# Allegro board AX7021B.brd (continued)
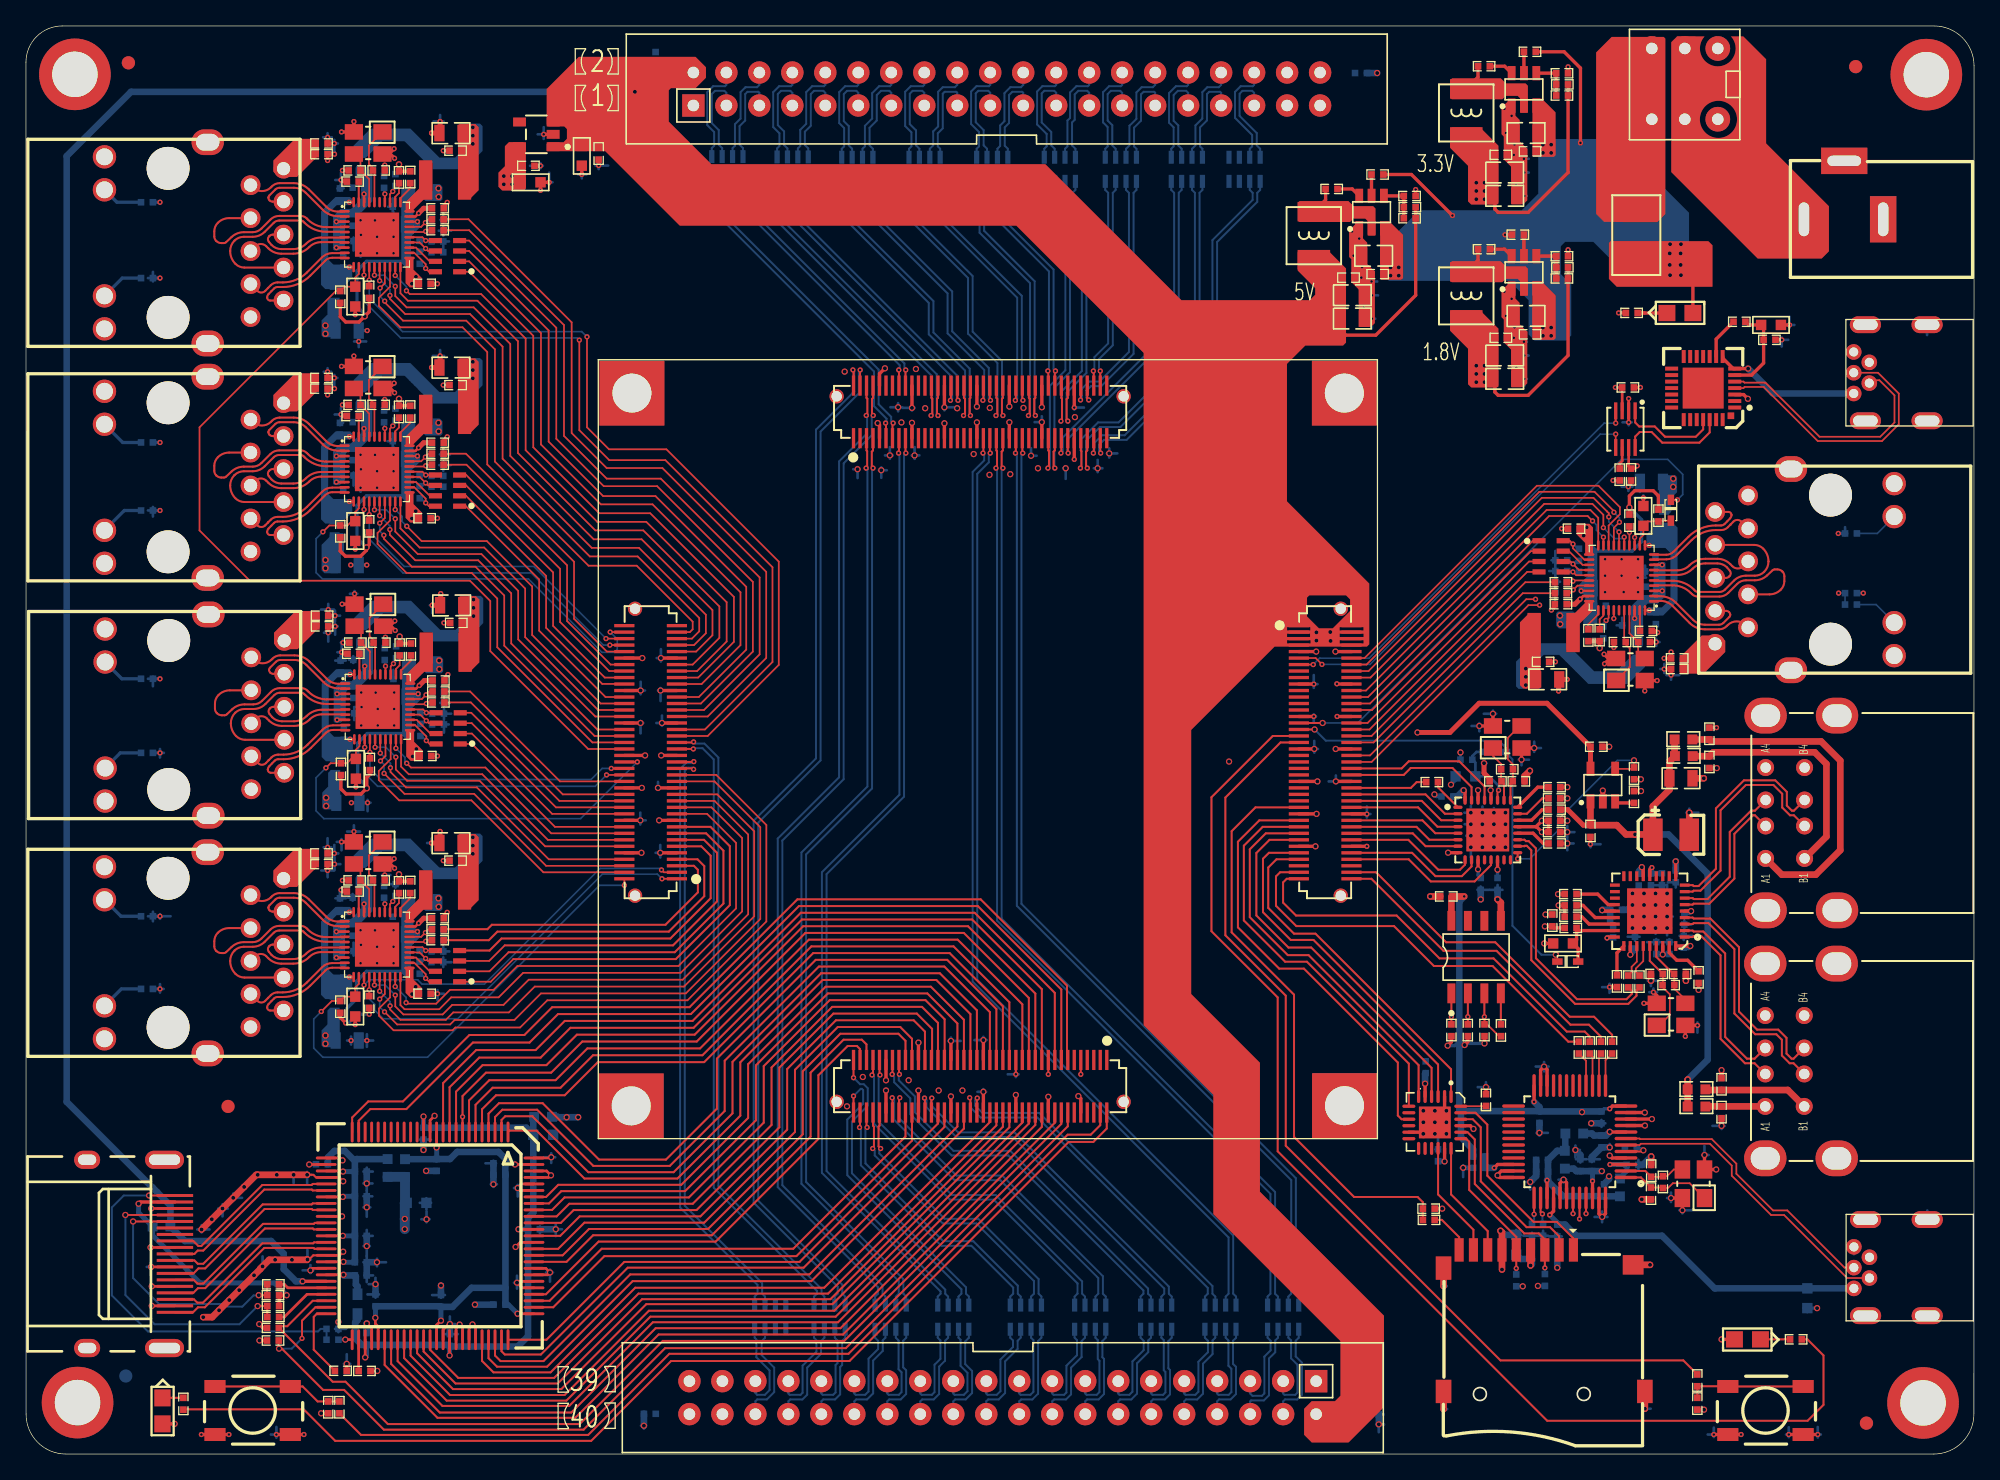
[diagram p0: board, top side]
## Routing (per net, layer and track width the routed paths; a pad name or vN(x,y) marks a point on that pad's centre or on a via; arc(x,y) is an arc through that point) (continued)
PHY2_MDI3_N: length 8.5
  TOP w0.152: J10.P9 18.8,34.16 arc(18.64,34.23) 18.57,34.39 18.57,34.39 arc(18.6,34.54) 18.68,34.66 18.9,34.88 19.11,35.09 arc(19.23,35.18) 19.37,35.2 19.78,35.2 arc(20.92,35.43) 21.89,36.08 23.05,37.24 arc(23.3,37.4) 23.59,37.46 24.51,37.46 U10.10
PHY2_MDI3_P: length 8.6
  TOP w0.152: U10.9 24.51,37.82 23.59,37.82 arc(23.16,37.73) 22.8,37.49 21.64,36.33 arc(20.79,35.76) 19.78,35.56 19.37,35.56 arc(19.09,35.5) 18.86,35.35 18.65,35.14 arc(18.64,35.13) 18.64,35.13 18.42,34.91 arc(18.13,34.78) 17.83,34.9 J10.P8
PHY2_MDIO: length 31.5
  TOP w0.127: R1043.1 26.43,35.74 v1(26.43,35.76) U10.14 ; CON3.1 v1(48.98,44.31)
  BOTTOM w0.127: v1(48.98,44.31) 48.62,44.67 44.39,44.67 33.25,33.53 27.51,33.53 26.86,34.18 26.86,34.64 26.43,35.06 v1(26.43,35.76)
PHY2_RESET: length 38
  TOP w0.127: v1(22.74,34.09) 23.55,34.9 R1060.1 24.53,35.23 C1510.1 25.36,35.94 25.63,36.22 U10.12 ; CON3.2 v1(46.08,43.81)
  BOTTOM w0.127: v1(46.08,43.81) 44.17,43.81 30.93,30.57 22.86,30.57 22.16,31.27 22.16,33.51 v1(22.74,34.09)
PHY2_RSET: length 1.6
  TOP w0.152: R1050.2 25.63,43.32 25.63,41.75 U10.39
PHY2_RXC_ADR1: length 2.5
  TOP w0.127: R1048.1 31.02,40.43 v1(30.76,40.17) 30.43,39.84 U10.27
  BOTTOM w0.127: R1058.2 30.97,40.37 v1(30.76,40.17)
PHY2_RXCK: length 24.2
  TOP w0.152: R1048.2 35.53,40.43 35.88,40.77 49.25,40.77 51.74,43.26 51.74,45 51.43,45.31 CON3.5
PHY2_RXCTL: length 26.1
  TOP w0.152: R1049.2 35.64,39.58 36.3,40.24 49.5,40.24 52.23,42.97 52.23,45.29 51.71,45.81 CON3.7
PHY2_RXCTL_ADR2: length 2.2
  TOP w0.127: R1049.1 30.87,39.58 v1(30.78,39.49) 30.73,39.44 U10.26
  BOTTOM w0.127: R1059.2 30.83,39.54 v1(30.78,39.49)
PHY2_RXD0: length 27.2
  TOP w0.152: CON3.11 52,46.81 52.72,46.09 52.72,42.81 49.62,39.71 36.62,39.71 35.7,38.78 RN20.4
PHY2_RXD0_RXDLY: length 3.1
  TOP w0.127: U10.25 30.53,39.04 v1(30.78,38.78) RN20.5
  BOTTOM w0.127: R1054.2 30.85,38.72 v1(30.78,38.78) 30.76,38.76 R1055.1
PHY2_RXD1: length 29
  TOP w0.127: RN20.3 35.67,37.98 36.87,39.18
  TOP w0.152: 36.87,39.18 49.83,39.18 53.22,42.57 53.22,46.31 52.21,47.31 CON3.13
PHY2_RXD1_TXDLY: length 3.4
  TOP w0.127: U10.24 30.31,38.64 v1(30.78,38.17) 30.97,37.98 RN20.6
  BOTTOM w0.127: R1056.1 30.53,37.93 v1(30.78,38.17) 31.06,37.89 R1053.2
PHY2_RXD2: length 30.7
  TOP w0.127: RN20.2 35.69,37.18 37.16,38.65
  TOP w0.152: 37.16,38.65 49.96,38.65 53.71,42.4 53.71,46.47 52.37,47.81 CON3.15
PHY2_RXD3: length 32.5
  TOP w0.127: 37.53,38.12 35.79,36.38 RN20.1
  TOP w0.152: 37.53,38.12 50.04,38.12 54.2,42.28 54.2,46.82 52.71,48.31 CON3.17
PHY2_RXD3_ADR0: length 3.4
  TOP w0.127: RN20.8 31.03,36.38 v1(30.78,36.64) 30.78,36.96 29.9,37.84 U10.22
  BOTTOM w0.127: R1057.1 30.42,36.99 v1(30.78,36.64)
PHY2_TXCK: length 43.4
  TOP w0.127: U10.20 28.83,34.58 29.15,34.26 31.83,34.26 32.74,35.18 36.4,35.18 38.29,37.07 50.41,37.07 55.15,41.8 55.15,47.45 52.79,49.81 CON3.23
PHY2_TXCTL: length 41.3
  TOP w0.127: CON3.21 52.45,49.31 54.68,47.08 54.68,42.03 50.25,37.59 37.84,37.59 36.01,35.76 32.65,35.76 31.59,34.69 29.35,34.69 v1(29.27,34.77) ; U10.19 v1(28.43,36.01)
  BOTTOM w0.127: v1(28.43,36.01) 29.27,35.17 v1(29.27,34.77)
PHY2_TXD0: length 53
  TOP w0.127: CON3.33 53.16,52.31 57.01,48.45 57.01,41.02 50.94,34.95 40.14,34.95 38.05,32.86 33.06,32.86 32.85,32.64 28.31,32.64 27.18,33.77 27.18,34.31 28.03,35.17 U10.18
PHY2_TXD1: length 50.7
  TOP w0.127: v1(27.24,35.04) 27.63,35.44 U10.17 ; v1(27.61,34.06) 28.58,33.09 32.66,33.09 33.01,33.44 37.61,33.44 39.66,35.48 50.81,35.48 56.55,41.22 56.55,48.29 53.02,51.81 CON3.31
  BOTTOM w0.127: v1(27.24,35.04) 27.24,34.43 v1(27.61,34.06)
PHY2_TXD2: length 48.2
  TOP w0.127: CON3.27 53.23,50.81 56.08,47.96 56.08,41.42 50.67,36.01 39.18,36.01 37.19,34.02 32.9,34.02 32.33,33.45 28.84,33.45 28.04,34.25 v1(28.04,34.52) ; U10.16 v1(27.23,35.65)
  BOTTOM w0.127: v1(27.23,35.65) 28.04,34.85 v1(28.04,34.52)
PHY2_TXD3: length 46.7
  TOP w0.127: U10.15 v1(26.83,36.12) ; CON3.25 53.02,50.31 55.61,47.72 55.61,41.58 50.57,36.54 38.71,36.54 36.77,34.6 32.82,34.6 32.09,33.86 29.06,33.86 28.44,34.48 v1(28.44,35.35)
  BOTTOM w0.127: v1(26.83,36.12) 27.66,36.12 v1(28.44,35.35)
PHY3_ADVDDL: length 1.9
  TOP w0.19: U11.38 v1(26.08,60.68) ; U11.8 v1(23.95,56.55) ; U11.3 v1(23.95,58.55)
PHY3_AVDD33: length 0.7
  TOP w0.191: U11.11 v1(24.96,55.05) ; U11.40 v1(24.96,60.05)
PHY3_DVDDL:
  vias: v2(29.79,53.73) v2(30.07,54.31) v2(34.46,65.81) v2(34.46,65.18) v2(34.46,64.54)
PHY3_ENB_LDO: length 1.6
  TOP w0.127: R1062.1 28.78,60.76 28.48,60.46 U11.32
PHY3_ETH_RXD2: length 2.4
  TOP w0.127: U11.23 30.09,56.55 31.14,55.5 RN21.7
PHY3_INT_N: length 1.8
  TOP w0.127: R1078.2 29.64,61.12 28.88,60.36 U11.31
PHY3_IODVDD: length 13.6
  TOP w0.127: U11.28 v1(30.2,58.55)
  TOP w0.254: R1079.2 26.48,52.35 26.24,52.11 v2(26.24,51.29) 25.8,50.84 24.65,50.84 24.25,51.24 R1077.2
  BOTTOM w0.254: R1074.2 29.27,55.5 26.27,55.5 25.54,54.77 25.54,52.12 26.24,51.42 v2(26.24,51.29)
PHY3_LED1: length 28.3
  TOP w0.127: v1(28.3,60.88) 28.08,60.67 U11.33
  SVCC w0.127: J11.14 9.32,53.52 14.88,53.52 16.29,54.93 17.93,54.93 19.23,56.23 20.92,56.23 24.17,59.49 27.34,59.49 28.3,60.44 v1(28.3,60.88)
  BOTTOM w0.127: R1063.1 28.5,61.09 v1(28.3,60.88)
PHY3_LED2: length 25.3
  TOP w0.127: U11.34 v1(27.68,60.69)
  SVCC w0.127: J11.11 7.05,63.55 10.49,60.11 17.97,60.11 19.1,61.23 24.66,61.23 25.8,60.09 27.08,60.09 v1(27.68,60.69)
  BOTTOM w0.127: v1(27.68,60.69) 27.63,60.75 R1064.1
PHY3_MDC: length 23.4
  TOP w0.127: U11.13 v1(26.08,54.44) ; CON3.34 v1(44.71,52.31)
  BOTTOM w0.127: v1(26.08,54.44) 26.08,52.43 27.08,51.43 43.83,51.43 v1(44.71,52.31)
PHY3_MDI0_N: length 8.3
  TOP w0.152: J11.P3 19.04,60.1 arc(18.92,60.12) 18.81,60.19 arc(18.74,60.29) 18.72,60.41 arc(18.74,60.49) 18.78,60.56 19.25,61.03 arc(19.4,61.13) 19.58,61.16 20.67,61.16 arc(21.17,61.07) 21.59,60.78 22.91,59.46 arc(23.45,59.1) 24.08,58.97 24.56,58.97 U11.2
PHY3_MDI0_P: length 8.4
  TOP w0.152: J11.P2 17.51,61.2 arc(18.22,60.91) 18.92,61.2 19,61.28 arc(19.27,61.46) 19.58,61.52 20.67,61.52 arc(21.3,61.39) 21.84,61.03 23.16,59.71 arc(23.59,59.43) 24.08,59.33 24.56,59.33 U11.1
PHY3_MDI1_N: length 15
  TOP w0.152: U11.5 24.56,57.78 23.16,57.78 arc(22.27,57.95) 21.51,58.46 21.42,58.55 arc(21.32,58.62) 21.21,58.64 19.55,58.64 arc(19.32,58.59) 19.13,58.46 18.43,57.77 arc(18.01,57.49) 17.51,57.39 16.83,57.39 arc(16.45,57.32) 16.13,57.11 arc(16.11,57.1) 16.1,57.09 arc(15.86,56.72) 15.78,56.3 15.78,56.28 arc(15.88,55.75) 16.18,55.3 arc(16.5,55.09) 16.87,55.02 J11.P7
PHY3_MDI1_P: length 15
  TOP w0.152: J11.P4 15.7,58.83 arc(15.23,58.73) 14.82,58.46 arc(14.62,58.16) 14.55,57.81 14.55,57.42 arc(14.59,57.23) 14.69,57.08 14.71,57.06 arc(14.88,56.94) 15.09,56.9 15.3,56.9 arc(15.38,56.92) 15.46,56.97 15.88,57.37 arc(16.32,57.65) 16.83,57.74 17.51,57.74 arc(17.87,57.82) 18.18,58.02 18.88,58.72 arc(19.19,58.92) 19.55,59 21.21,59 arc(21.46,58.95) 21.67,58.8 21.76,58.71 arc(22.4,58.28) 23.16,58.13 24.56,58.13 U11.4
PHY3_MDI2_N: length 7.9
  TOP w0.152: U11.7 24.56,56.97 22.78,56.97 arc(22.28,56.88) 21.86,56.6 arc(21.3,56.22) 20.63,56.09 19.71,56.09 arc(19.17,56.19) 18.71,56.5 18.55,56.66 arc(18.14,56.83) 17.72,56.66 J11.P6
PHY3_MDI2_P: length 7.9
  TOP w0.152: J11.P5 19.06,57.56 arc(18.92,57.53) 18.8,57.45 18.77,57.42 arc(18.68,57.22) 18.75,57.01 18.96,56.75 arc(19.31,56.52) 19.71,56.44 20.63,56.44 arc(21.16,56.55) 21.61,56.85 arc(22.15,57.2) 22.78,57.33 24.56,57.33 U11.6
PHY3_MDI3_N: length 8.5
  TOP w0.152: U11.10 24.56,55.77 23.64,55.77 arc(23.35,55.72) 23.1,55.55 21.94,54.39 arc(20.97,53.74) 19.83,53.52 19.42,53.52 arc(19.28,53.49) 19.16,53.41 18.95,53.2 18.73,52.97 arc(18.65,52.85) 18.62,52.71 18.62,52.7 arc(18.69,52.54) 18.85,52.48 J11.P9
PHY3_MDI3_P: length 8.6
  TOP w0.152: J11.P8 17.88,53.22 arc(18.18,53.09) 18.48,53.22 18.69,53.44 arc(18.69,53.45) 18.7,53.45 18.91,53.66 arc(19.14,53.82) 19.42,53.87 19.83,53.87 arc(20.84,54.07) 21.69,54.64 22.85,55.8 arc(23.21,56.04) 23.64,56.13 24.56,56.13 U11.9
PHY3_MDIO: length 23
  TOP w0.127: U11.14 v1(26.48,54.05) R1079.1 ; CON3.36 v1(45.07,52.81)
  BOTTOM w0.127: v1(45.07,52.81) 44.37,52.81 43.52,51.96 27.32,51.96 26.48,52.8 v1(26.48,54.05)
PHY3_RESET: length 35.6
  TOP w0.127: U11.12 25.68,54.53 25.41,54.26 C1527.1 25.05,53.54 24.72,53.21 R1077.1 23.46,53.21 v1(23.1,52.85) ; CON3.38 v1(47.08,53.31)
  BOTTOM w0.127: v1(47.08,53.31) 42.71,48.94 22.94,48.94 22.34,49.54 22.34,52.09 v1(23.1,52.85)
PHY3_RSET: length 1.6
  TOP w0.152: R1067.2 25.68,61.64 25.68,60.06 U11.39
PHY3_RXC_ADR1: length 2.5
  TOP w0.127: U11.27 30.48,58.15 v1(30.81,58.48) 31.07,58.74 R1066.1
  BOTTOM w0.127: v1(30.81,58.48) 31.02,58.69 R1075.2
PHY3_RXCK: length 16.7
  TOP w0.127: CON3.32 41.13,51.81 34.2,58.74 R1066.2
PHY3_RXCTL: length 16.8
  TOP w0.127: R1065.2 34.26,57.89 41.34,50.81 CON3.28
PHY3_RXCTL_ADR2: length 2.2
  TOP w0.127: U11.26 30.78,57.75 v1(30.83,57.81) 30.92,57.89 R1065.1
  BOTTOM w0.127: R1076.2 30.88,57.86 v1(30.83,57.81)
PHY3_RXD0: length 15.4
  TOP w0.127: CON3.26 41.08,50.31 34.29,57.1 RN21.4
PHY3_RXD0_RXDLY: length 3.1
  TOP w0.127: RN21.5 v1(30.83,57.1) 30.58,57.35 U11.25
  BOTTOM w0.127: R1072.1 30.81,57.08 v1(30.83,57.1) 30.9,57.03 R1071.2
PHY3_RXD1: length 15.3
  TOP w0.127: RN21.3 34.33,56.3 40.81,49.81 CON3.24
PHY3_RXD1_TXDLY: length 3.4
  TOP w0.127: RN21.6 31.02,56.3 v1(30.83,56.49) 30.36,56.95 U11.24
  BOTTOM w0.127: R1070.2 31.11,56.2 v1(30.83,56.49) 30.58,56.24 R1073.1
PHY3_RXD2: length 15.2
  TOP w0.127: CON3.22 40.52,49.31 34.34,55.5 RN21.2
PHY3_RXD3: length 15.3
  TOP w0.127: CON3.18 40.73,48.31 34.35,54.7 RN21.1
PHY3_RXD3_ADR0: length 3.4
  TOP w0.127: U11.22 29.95,56.15 30.83,55.28 v1(30.83,54.95) 31.09,54.7 RN21.8
  BOTTOM w0.127: v1(30.83,54.95) 30.47,55.31 R1074.1
PHY3_TXCK: length 21.6
  TOP w0.127: U11.20 28.88,52.95 29.48,52.36 35.14,52.36 40.19,47.31 CON3.14
PHY3_TXCTL: length 21.2
  TOP w0.127: U11.19 v1(28.48,54.36) ; v1(29.32,53.21) 29.65,52.88 35.38,52.88 40.45,47.81 CON3.16
  BOTTOM w0.127: v1(29.32,53.21) 29.18,53.35 29.18,53.66 v1(28.48,54.36)
PHY3_TXD0: length 25.4
  TOP w0.127: U11.18 28.08,53.53 27.17,52.61 27.17,51.92 28.73,50.35 34.3,50.35 39.84,44.81 CON3.4
PHY3_TXD1: length 24.3
  TOP w0.127: v1(27.58,52.43) 29.15,50.85 34.51,50.85 40.05,45.31 CON3.6 ; v1(27.3,53.39) 27.68,53.77 U11.17
  BOTTOM w0.127: v1(27.3,53.39) 27.58,53.11 v1(27.58,52.43)
PHY3_TXD2: length 23.6
  TOP w0.127: U11.16 v1(27.28,53.99) ; CON3.8 40.26,45.81 34.72,51.35 29.26,51.35 28.07,52.54 v1(28.07,52.86)
  BOTTOM w0.127: v1(27.28,53.99) 28.07,53.21 v1(28.07,52.86)
PHY3_TXD3: length 23.5
  TOP w0.127: CON3.12 39.98,46.81 34.93,51.86 29.35,51.86 28.48,52.73 v1(28.48,53.68) ; U11.15 v1(26.88,54.44)
  BOTTOM w0.127: v1(26.88,54.44) 27.71,54.44 v1(28.48,53.68)
PHY4_ADVDDL: length 1.9
  TOP w0.19: U12.3 v1(23.9,76.87) ; U12.8 v1(23.9,74.87) ; U12.38 v1(26.03,79)
PHY4_AVDD33: length 0.7
  TOP w0.191: U12.40 v1(24.91,78.37) ; U12.11 v1(24.91,73.37)
PHY4_DVDDL:
  vias: v2(29.72,72.06) v2(30.01,72.62) v2(34.41,84.13) v2(34.41,83.49) v2(34.41,82.86)
PHY4_ENB_LDO: length 1.6
  TOP w0.127: R1080.1 28.72,79.07 28.43,78.78 U12.32
PHY4_ETH_RXD2: length 2.4
  TOP w0.127: U12.23 30.04,74.87 31.09,73.81 RN22.7
PHY4_INT_N: length 1.8
  TOP w0.127: U12.31 28.83,78.68 29.59,79.44 R1096.2
PHY4_IODVDD: length 13.4
  TOP w0.127: U12.28 v1(30.15,76.87)
  TOP w0.254: R1097.2 26.43,70.05 v2(26.22,69.83) 26.22,69.61 25.76,69.16 24.6,69.16 24.2,69.56 R1095.2
  BOTTOM w0.254: v2(26.22,69.83) 25.49,70.56 25.49,73.08 26.22,73.81 29.22,73.81 R1092.2
PHY4_LED1: length 28.3
  TOP w0.127: U12.33 28.03,78.98 v1(28.25,79.2)
  SVCC w0.127: v1(28.25,79.2) 28.25,78.77 27.14,77.67 25.48,77.67 22.43,74.62 19.27,74.62 18,73.35 11.68,73.35 6.94,68.61 J12.14
  BOTTOM w0.127: v1(28.25,79.2) 28.45,79.4 R1081.1
PHY4_LED2: length 25.4
  TOP w0.127: U12.34 v1(27.63,79)
  SVCC w0.127: v1(27.63,79) 27.05,78.42 25.69,78.42 25.13,78.98 21.76,78.98 21.14,79.61 19.14,79.61 17.97,78.44 9.47,78.44 J12.11
  BOTTOM w0.127: R1082.1 27.58,79.06 v1(27.63,79)
PHY4_MDC: length 26.1
  TOP w0.127: U12.13 v1(26.03,72.75) ; CON3.74 v1(44.96,62.31)
  BOTTOM w0.127: v1(26.03,72.75) 26.03,70.87 29.04,67.87 38.9,67.87 44.46,62.31 v1(44.96,62.31)
PHY4_MDI0_N: length 8.3
  TOP w0.152: J12.P3 18.99,78.41 arc(18.86,78.44) 18.76,78.51 arc(18.69,78.6) 18.67,78.72 arc(18.69,78.8) 18.73,78.87 19.2,79.34 arc(19.35,79.44) 19.53,79.48 20.62,79.48 arc(21.12,79.38) 21.54,79.1 22.86,77.77 arc(23.4,77.41) 24.03,77.29 24.51,77.29 U12.2
PHY4_MDI0_P: length 8.4
  TOP w0.152: U12.1 24.51,77.64 24.03,77.64 arc(23.54,77.74) 23.11,78.02 21.79,79.35 arc(21.25,79.71) 20.62,79.83 19.53,79.83 arc(19.22,79.77) 18.95,79.59 18.87,79.51 arc(18.17,79.22) 17.46,79.51 J12.P2
PHY4_MDI1_N: length 15
  TOP w0.152: J12.P7 16.82,73.33 arc(16.45,73.4) 16.13,73.62 arc(15.83,74.07) 15.72,74.6 15.72,74.61 arc(15.81,75.04) 16.05,75.4 arc(16.06,75.41) 16.07,75.42 arc(16.4,75.63) 16.78,75.7 17.46,75.7 arc(17.96,75.8) 18.38,76.08 19.08,76.78 arc(19.27,76.91) 19.5,76.95 21.16,76.95 arc(21.27,76.93) 21.37,76.87 21.46,76.77 arc(22.22,76.27) 23.11,76.09 24.51,76.09 U12.5
PHY4_MDI1_P: length 15
  TOP w0.152: J12.P4 15.65,77.14 arc(15.18,77.05) 14.77,76.78 arc(14.57,76.48) 14.5,76.12 14.5,75.73 arc(14.54,75.55) 14.64,75.39 14.66,75.37 arc(14.83,75.26) 15.04,75.22 15.25,75.22 arc(15.33,75.23) 15.41,75.28 15.83,75.68 arc(16.27,75.96) 16.78,76.06 17.46,76.06 arc(17.82,76.13) 18.13,76.33 18.83,77.03 arc(19.14,77.24) 19.5,77.31 21.16,77.31 arc(21.41,77.26) 21.62,77.12 21.71,77.02 arc(22.35,76.59) 23.11,76.44 24.51,76.44 U12.4
PHY4_MDI2_N: length 7.9
  TOP w0.152: U12.7 24.51,75.29 22.73,75.29 arc(22.23,75.19) 21.81,74.91 arc(21.25,74.53) 20.58,74.4 19.66,74.4 arc(19.12,74.51) 18.66,74.81 18.5,74.97 arc(18.08,75.15) 17.67,74.97 J12.P6
PHY4_MDI2_P: length 7.9
  TOP w0.152: U12.6 24.51,75.64 22.73,75.64 arc(22.1,75.52) 21.56,75.16 arc(21.11,74.86) 20.58,74.75 19.66,74.75 arc(19.26,74.84) 18.91,75.06 18.7,75.32 arc(18.63,75.53) 18.72,75.73 18.75,75.76 arc(18.87,75.84) 19.01,75.87 J12.P5
PHY4_MDI3_N: length 8.5
  TOP w0.152: J12.P9 18.8,70.79 arc(18.64,70.86) 18.57,71.02 arc(18.6,71.16) 18.68,71.29 18.9,71.51 19.11,71.72 arc(19.23,71.8) 19.37,71.83 19.78,71.83 arc(20.92,72.06) 21.89,72.7 23.05,73.86 arc(23.3,74.03) 23.59,74.09 24.51,74.09 U12.10
PHY4_MDI3_P: length 8.6
  TOP w0.152: U12.9 24.51,74.44 23.59,74.44 arc(23.16,74.36) 22.8,74.12 21.64,72.95 arc(20.79,72.39) 19.78,72.19 19.37,72.19 arc(19.09,72.13) 18.86,71.97 18.65,71.76 arc(18.64,71.76) 18.64,71.76 18.42,71.53 arc(18.13,71.41) 17.83,71.53 J12.P8
PHY4_MDIO: length 25.8
  TOP w0.127: U12.14 v1(26.43,72.36) 26.43,72.36 R1097.1 ; CON3.76 v1(44.67,62.81)
  BOTTOM w0.127: v1(26.43,72.36) 26.43,71.06 29.12,68.37 39.11,68.37 v1(44.67,62.81)
PHY4_RESET: length 36.3
  TOP w0.127: v1(22.87,71.04) 23.36,71.52 R1095.1 24.76,71.52 25.09,71.86 C1544.1 25.36,72.57 25.63,72.84 U12.12 ; CON3.78 v1(44.99,63.31)
  BOTTOM w0.127: v1(22.87,71.04) 22.34,70.51 22.34,67.89 22.83,67.4 38.69,67.4 44.34,61.75 45.32,61.75 45.53,61.97 45.53,62.76 v1(44.99,63.31)
PHY4_RSET: length 1.6
  TOP w0.152: R1085.2 25.63,79.95 25.63,78.37 U12.39
PHY4_RXC_ADR1: length 2.5
  TOP w0.127: U12.27 30.43,76.47 v1(30.76,76.79) 31.02,77.05 R1084.1
  BOTTOM w0.127: R1093.2 30.96,77 v1(30.76,76.79)
PHY4_RXCK: length 22.8
  TOP w0.127: CON3.72 44.73,61.81 42.2,64.34 42.2,68.73 33.88,77.05 R1084.2
PHY4_RXCTL: length 22.8
  TOP w0.127: CON3.68 45.02,60.81 41.67,64.16 41.67,68.46 33.92,76.21 R1083.2
PHY4_RXCTL_ADR2: length 2.2
  TOP w0.127: U12.26 30.73,76.07 v1(30.78,76.12) 30.87,76.21 R1083.1
  BOTTOM w0.127: v1(30.78,76.12) 30.83,76.17 R1094.2
PHY4_RXD0: length 21.3
  TOP w0.127: RN22.4 33.9,75.41 41.13,68.18 41.13,64.09 44.91,60.31 46.08,60.31 CON3.66
PHY4_RXD0_RXDLY: length 3.1
  TOP w0.127: U12.25 30.53,75.67 v1(30.78,75.41) RN22.5
  BOTTOM w0.127: R1089.2 30.85,75.34 v1(30.78,75.41) 30.76,75.39 R1090.1
PHY4_RXD1: length 21.2
  TOP w0.127: RN22.3 33.89,74.61 40.59,67.91 40.59,63.79 44.57,59.81 CON3.64
PHY4_RXD1_TXDLY: length 3.4
  TOP w0.127: U12.24 30.31,75.27 v1(30.78,74.8) 30.97,74.61 RN22.6
  BOTTOM w0.127: R1088.2 31.06,74.51 v1(30.78,74.8) 30.53,74.56 R1091.1
PHY4_RXD2: length 21
  TOP w0.127: CON3.62 46.07,59.32 44.38,59.32 40.05,63.64 40.05,67.64 33.88,73.81 RN22.2
PHY4_RXD3: length 21.1
  TOP w0.127: RN22.1 33.87,73.01 39.52,67.36 39.52,63.42 44.63,58.31 CON3.58
PHY4_RXD3_ADR0: length 3.4
  TOP w0.127: U12.22 29.9,74.47 30.78,73.59 v1(30.78,73.27) 31.03,73.01 RN22.8
  BOTTOM w0.127: R1092.1 30.42,73.62 v1(30.78,73.27)
PHY4_TXCK: length 27.3
  TOP w0.127: CON3.54 46.07,57.31 44.05,57.31 38.44,62.92 38.44,66.67 35.28,69.83 30.31,69.83 28.83,71.3 U12.20
PHY4_TXCTL: length 26.9
  TOP w0.127: U12.19 v1(28.43,72.74) ; CON3.56 44.26,57.81 38.98,63.09 38.98,66.83 35.49,70.32 30.47,70.32 v1(29.32,71.47)
  BOTTOM w0.127: v1(29.32,71.47) 28.97,71.83 28.97,72.21 v1(28.43,72.74)
PHY4_TXD0: length 31.2
  TOP w0.127: U12.18 28.03,71.91 27.07,70.95 27.07,70.1 29.31,67.87 34.32,67.87 36.29,65.9 36.29,62.14 43.62,54.81 CON3.44
PHY4_TXD1: length 30.2
  TOP w0.127: CON3.46 43.78,55.31 36.83,62.26 36.83,66.13 34.62,68.34 29.72,68.34 27.56,70.51 v1(27.56,70.77) ; v1(27.24,71.71) 27.63,72.1 U12.17
  BOTTOM w0.127: v1(27.56,70.77) 27.24,71.09 v1(27.24,71.71)
PHY4_TXD2: length 29.4
  TOP w0.127: CON3.48 43.99,55.81 37.37,62.43 37.37,66.3 34.82,68.84 29.98,68.84 28.02,70.8 v1(28.02,71.21) ; U12.16 v1(27.23,72.28)
  BOTTOM w0.127: v1(27.23,72.28) 28.02,71.49 v1(28.02,71.21)
PHY4_TXD3: length 29.2
  TOP w0.127: CON3.52 43.84,56.81 37.9,62.75 37.9,66.49 35.07,69.32 30.17,69.32 28.44,71.05 v1(28.44,72.04) ; U12.15 v1(26.83,72.73)
  BOTTOM w0.127: v1(28.44,72.04) 27.75,72.73 v1(26.83,72.73)
PHY5_ADVDDL: length 1.9
  TOP w0.19: U13.8 v1(23.9,92.93) ; U13.3 v1(23.9,94.93) ; U13.38 v1(26.03,97.06)
PHY5_AVDD33: length 0.7
  TOP w0.191: U13.40 v1(24.91,96.43) ; U13.11 v1(24.91,91.43)
PHY5_DVDDL:
  vias: v2(29.72,90.14) v2(30.03,90.68) v2(34.41,102.19) v2(34.41,101.55) v2(34.41,100.92)
PHY5_ENB_LDO: length 1.6
  TOP w0.127: R1098.1 28.72,97.13 28.43,96.84 U13.32
PHY5_ETH_RXD2: length 2.4
  TOP w0.127: RN23.7 31.09,91.87 30.04,92.93 U13.23
PHY5_INT_N: length 1.8
  TOP w0.127: U13.31 28.83,96.74 29.59,97.5 R1115.2
PHY5_IODVDD: length 13.5
  TOP w0.127: U13.28 v1(30.15,94.93)
  TOP w0.254: R1114.2 26.43,87.99 v2(26.08,87.64) 25.64,87.2 24.62,87.2 24.2,87.61 R1113.2
  BOTTOM w0.254: R1110.2 29.22,91.87 26.22,91.87 25.49,91.14 25.49,88.4 26.08,87.81 v2(26.08,87.64)
PHY5_LED1: length 28.2
  TOP w0.127: U13.33 28.03,97.04 v1(28.25,97.26)
  SVCC w0.127: J13.14 9.34,89.97 12.39,89.97 16.4,93.98 17.92,93.98 19.07,95.13 20.75,95.13 21.56,95.94 27.25,95.94 28.25,96.94 v1(28.25,97.26)
  BOTTOM w0.127: v1(28.25,97.26) 28.45,97.46 R1099.1
PHY5_LED2: length 24.8
  TOP w0.127: U13.34 v1(27.63,97.06)
  SVCC w0.127: v1(27.63,97.06) 27.06,97.63 19.13,97.63 17.99,96.5 11.02,96.5 10.6,96.92 9.05,96.92 J13.11
  BOTTOM w0.127: v1(27.63,97.06) 27.58,97.12 R1100.1
PHY5_MDC: length 63.4
  TOP w0.127: CON3.47 52.28,55.81 57.49,61.01 57.49,68.31 49.24,76.56 44.92,76.56 42.61,78.86 v1(42.61,85.8) ; U13.13 v1(26.03,90.81)
  BOTTOM w0.127: v1(26.03,90.81) 26.03,88.79 28.85,85.97 42.44,85.97 v1(42.61,85.8)
PHY5_MDI0_N: length 8.3
  TOP w0.152: U13.2 24.51,95.35 24.03,95.35 arc(23.4,95.47) 22.86,95.83 21.54,97.16 arc(21.12,97.44) 20.62,97.54 19.53,97.54 arc(19.35,97.5) 19.2,97.4 18.73,96.93 arc(18.69,96.86) 18.67,96.78 18.67,96.78 arc(18.69,96.66) 18.76,96.57 arc(18.86,96.49) 18.99,96.47 J13.P3
PHY5_MDI0_P: length 8.4
  TOP w0.152: U13.1 24.51,95.7 24.03,95.7 arc(23.54,95.8) 23.11,96.08 21.79,97.41 arc(21.25,97.77) 20.62,97.89 19.53,97.89 arc(19.22,97.83) 18.95,97.65 18.87,97.57 arc(18.17,97.28) 17.46,97.57 J13.P2
PHY5_MDI1_N: length 15
  TOP w0.152: U13.5 24.51,94.15 23.11,94.15 arc(22.22,94.33) 21.46,94.83 21.37,94.92 arc(21.27,94.99) 21.16,95.01 19.5,95.01 arc(19.27,94.97) 19.08,94.84 18.38,94.14 arc(17.96,93.86) 17.46,93.76 16.78,93.76 arc(16.4,93.69) 16.07,93.48 arc(16.06,93.47) 16.05,93.46 arc(15.81,93.1) 15.72,92.67 15.72,92.66 arc(15.83,92.13) 16.13,91.68 arc(16.45,91.46) 16.82,91.39 J13.P7
PHY5_MDI1_P: length 15
  TOP w0.152: J13.P4 15.65,95.2 arc(15.18,95.11) 14.77,94.84 arc(14.57,94.53) 14.5,94.18 14.5,93.79 arc(14.54,93.61) 14.64,93.45 14.66,93.43 arc(14.83,93.32) 15.04,93.28 15.25,93.28 arc(15.33,93.29) 15.41,93.34 15.83,93.74 arc(16.27,94.02) 16.78,94.12 17.46,94.12 arc(17.82,94.19) 18.13,94.39 18.83,95.09 arc(19.14,95.3) 19.5,95.37 21.16,95.37 arc(21.41,95.32) 21.62,95.18 21.71,95.08 arc(22.35,94.65) 23.11,94.5 24.51,94.5 U13.4
PHY5_MDI2_N: length 7.9
  TOP w0.152: U13.7 24.51,93.35 22.73,93.35 arc(22.23,93.25) 21.81,92.97 arc(21.25,92.59) 20.58,92.46 19.66,92.46 arc(19.12,92.57) 18.66,92.87 18.5,93.03 arc(18.08,93.21) 17.67,93.03 J13.P6
PHY5_MDI2_P: length 7.9
  TOP w0.152: U13.6 24.51,93.7 22.73,93.7 arc(22.1,93.58) 21.56,93.22 arc(21.11,92.92) 20.58,92.81 19.66,92.81 arc(19.26,92.89) 18.91,93.12 18.7,93.38 arc(18.63,93.59) 18.72,93.79 18.75,93.82 arc(18.87,93.9) 19.01,93.93 J13.P5
PHY5_MDI3_N: length 8.5
  TOP w0.152: U13.10 24.51,92.15 23.59,92.15 arc(23.3,92.09) 23.05,91.92 21.89,90.76 arc(20.92,90.12) 19.78,89.89 19.37,89.89 arc(19.23,89.86) 19.11,89.78 18.9,89.57 18.68,89.35 arc(18.6,89.22) 18.57,89.08 arc(18.64,88.92) 18.8,88.85 J13.P9
PHY5_MDI3_P: length 8.6
  TOP w0.152: J13.P8 17.83,89.59 arc(18.13,89.47) 18.42,89.59 18.64,89.82 arc(18.64,89.82) 18.65,89.82 18.86,90.03 arc(19.09,90.19) 19.37,90.25 19.78,90.25 arc(20.79,90.45) 21.64,91.01 22.8,92.17 arc(23.16,92.42) 23.59,92.5 24.51,92.5 U13.9
PHY5_MDIO: length 64.9
  TOP w0.127: CON3.45 52.5,55.31 57.97,60.78 57.97,68.74 49.32,77.39 44.89,77.39 43.2,79.08 v1(43.2,86.05) ; R1114.1 26.43,90.42 v1(26.43,90.42) U13.14
  BOTTOM w0.127: v1(26.43,90.42) 26.43,89.02 29,86.46 42.8,86.46 v1(43.2,86.05)
PHY5_RESET: length 68
  TOP w0.127: U13.12 25.63,90.9 25.36,90.63 C1561.1 24.53,89.92 R1113.1 23.86,89.58 13.36,79.09 13.36,71.14 17.24,67.27 34.19,67.27 35.75,65.7 35.75,61.85 43.29,54.31 CON3.42
PHY5_RSET: length 1.6
  TOP w0.152: U13.39 25.63,96.43 25.63,98.01 R1103.2
PHY5_RXC_ADR1: length 2.5
  TOP w0.127: U13.27 30.43,94.53 v1(30.76,94.85) 31.02,95.11 R1101.1
  BOTTOM w0.127: v1(30.76,94.85) 30.96,95.06 R1111.2
PHY5_RXCK: length 56.5
  TOP w0.127: CON3.51 52.5,56.81 57,61.32 57,67.95 49.01,75.95 44.72,75.95 42.02,78.64 42.02,87.17 34.08,95.11 R1101.2
PHY5_RXCTL: length 54.5
  TOP w0.127: R1102.2 34.13,94.27 41.43,86.96 41.43,78.42 44.72,75.13 48.88,75.13 56.49,67.52 56.49,61.6 52.21,57.31 CON3.53
PHY5_RXCTL_ADR2: length 2.2
  TOP w0.127: R1102.1 30.87,94.27 v1(30.78,94.18) 30.73,94.13 U13.26
  BOTTOM w0.127: R1112.2 30.83,94.23 v1(30.78,94.18)
PHY5_RXD0: length 51.4
  TOP w0.127: CON3.55 51.97,57.81 55.97,61.81 55.97,67.18 48.6,74.55 44.49,74.55 40.84,78.2 40.84,86.76 34.12,93.47 RN23.4
PHY5_RXD0_RXDLY: length 3.1
  TOP w0.127: RN23.5 v1(30.78,93.47) 30.53,93.73 U13.25
  BOTTOM w0.127: R1106.2 30.85,93.4 v1(30.78,93.47) 30.76,93.45 R1109.1
PHY5_RXD1: length 49.5
  TOP w0.127: CON3.57 51.81,58.31 55.47,61.96 55.47,66.8 48.48,73.79 44.44,73.79 40.25,77.98 40.25,86.55 34.13,92.67 RN23.3
PHY5_RXD1_TXDLY: length 3.4
  TOP w0.127: RN23.6 30.97,92.67 v1(30.78,92.86) 30.31,93.33 U13.24
  BOTTOM w0.127: R1107.2 31.06,92.57 v1(30.78,92.86) 30.53,92.62 R1108.1
PHY5_RXD2: length 47.4
  TOP w0.127: CON3.61 52.02,59.31 55.02,62.31 55.02,66.38 48.25,73.15 44.27,73.15 39.66,77.76 39.66,86.34 34.13,91.87 RN23.2
PHY5_RXD3: length 45.5
  TOP w0.127: CON3.63 51.76,59.81 54.51,62.56 54.51,66.02 48.07,72.47 44.14,72.47 39.07,77.54 39.07,86.13 34.13,91.07 RN23.1
PHY5_RXD3_ADR0: length 3.4
  TOP w0.127: RN23.8 31.03,91.07 v1(30.78,91.32) 30.78,91.65 29.9,92.53 U13.22
  BOTTOM w0.127: v1(30.78,91.32) 30.42,91.68 R1110.1
PHY5_TXCK: length 48.2
  TOP w0.127: U13.20 28.83,89.41 29.41,88.84 34.76,88.84 37.88,85.72 37.88,77.1 43.84,71.15 47.54,71.15 53.4,65.29 53.4,62.87 51.34,60.81 CON3.67
PHY5_TXCTL: length 49.6
  TOP w0.127: CON3.65 51.68,60.31 53.95,62.59 53.95,65.62 47.77,71.81 43.99,71.81 38.47,77.32 38.47,85.92 35.05,89.35 29.55,89.35 v1(29.3,89.6) ; U13.19 v1(28.43,90.78)
  BOTTOM w0.127: v1(28.43,90.78) 29.3,89.91 v1(29.3,89.6)
PHY5_TXD0: length 44.5
  TOP w0.127: CON3.77 51.12,63.31 51.34,63.53 51.34,64.12 47.03,68.43 43.32,68.43 35.52,76.22 35.52,84.89 33.62,86.79 28.82,86.79 27.18,88.43 27.18,89.06 28.03,89.91 U13.18
PHY5_TXD1: length 45.3
  TOP w0.127: v1(27.27,89.81) 27.63,90.18 U13.17 ; v1(27.62,88.8) 27.62,88.71 29.04,87.3 33.9,87.3 36.11,85.09 36.11,76.44 43.42,69.14 47.1,69.14 51.85,64.4 51.85,63.37 51.28,62.81 CON3.75
  BOTTOM w0.127: v1(27.62,88.8) 27.27,89.16 v1(27.27,89.81)
PHY5_TXD2: length 46.3
  TOP w0.127: v1(28.03,89.25) 28.03,88.99 29.2,87.81 34.19,87.81 36.7,85.3 36.7,76.66 43.57,69.8 47.21,69.8 52.35,64.65 52.35,63.22 51.44,62.31 CON3.73 ; U13.16 v1(27.23,90.38)